# Altium PCB BG1094.PcbDoc (part 2 of 2) (continued)
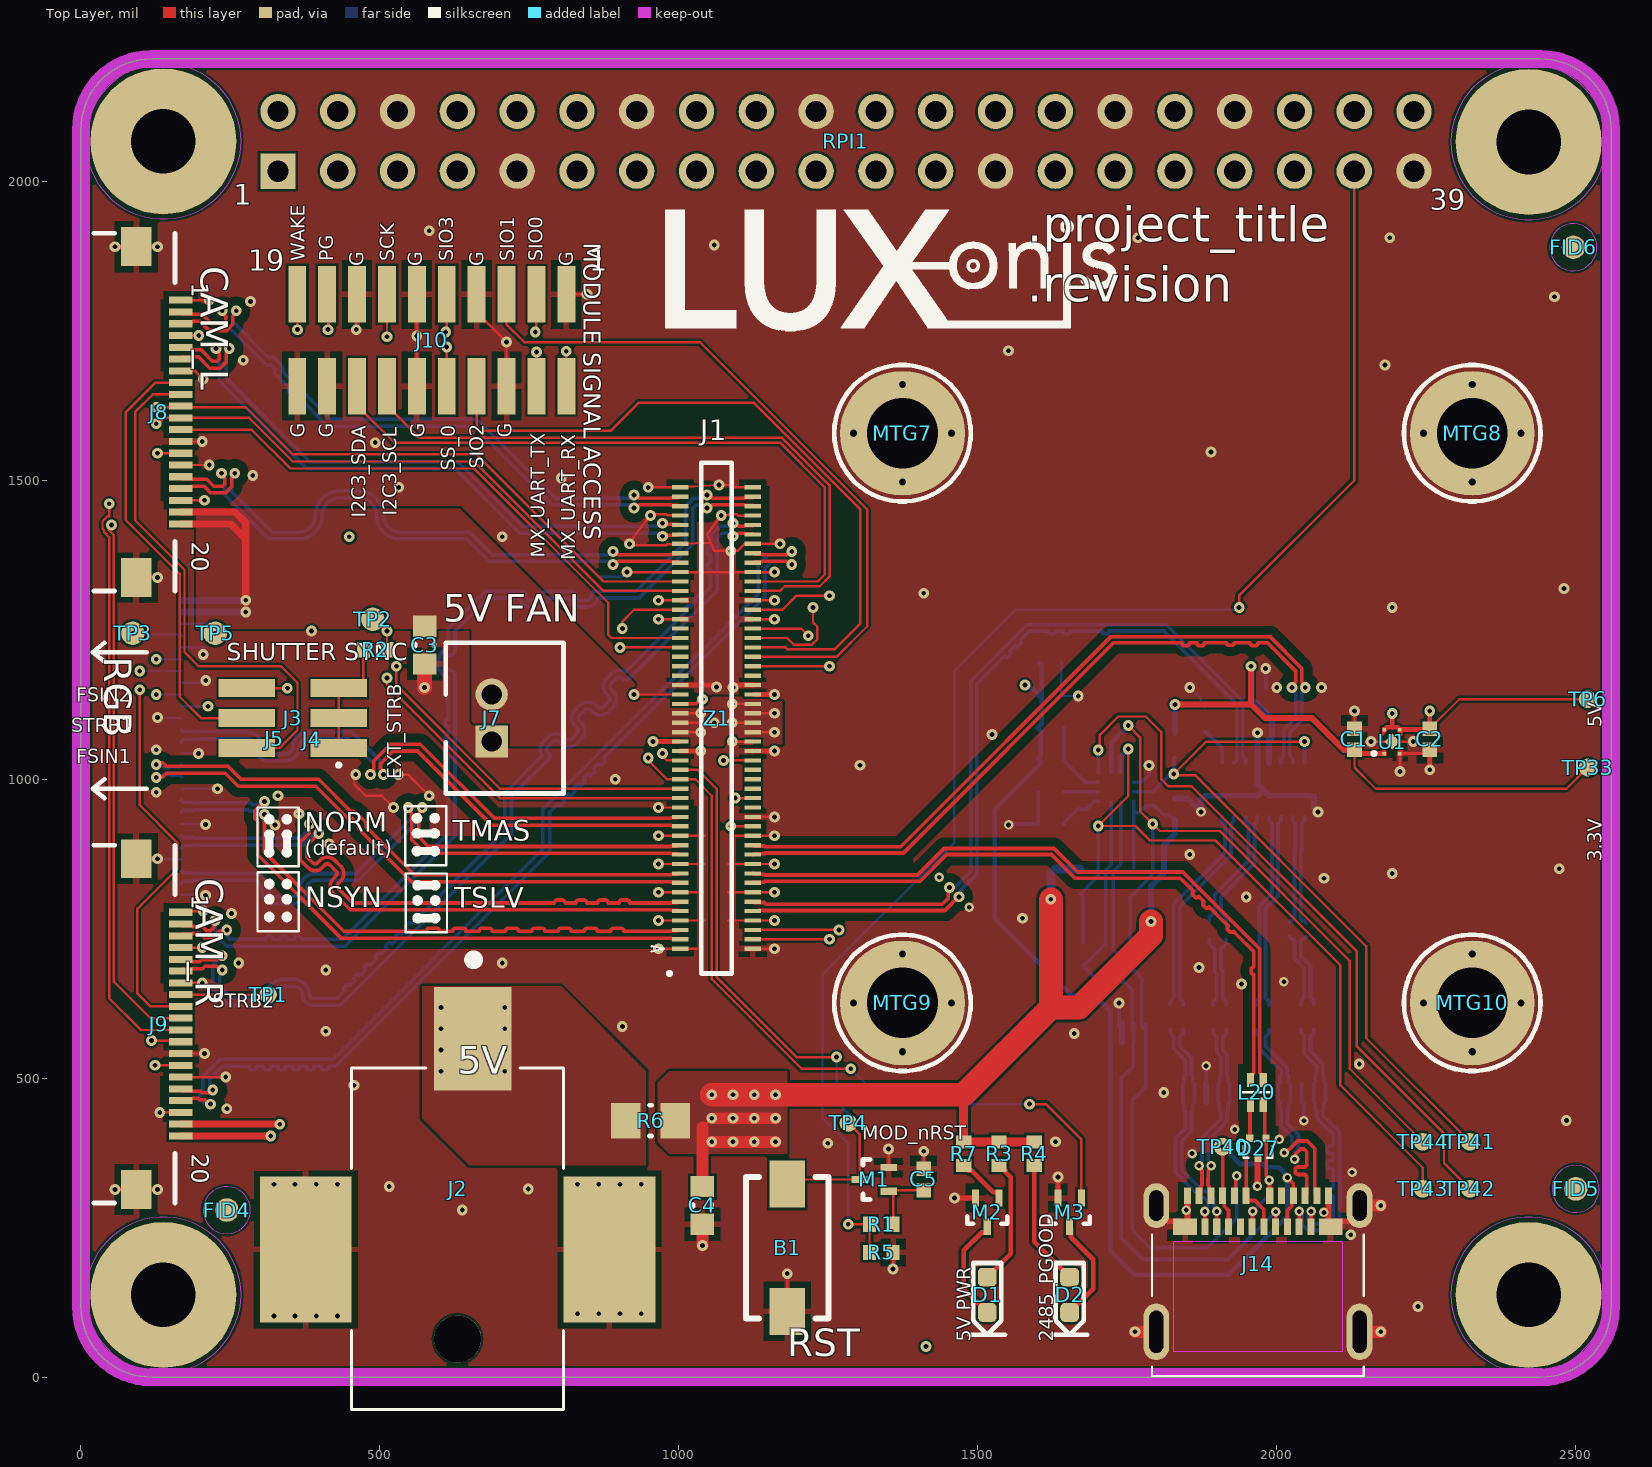
[diagram p0: Top Layer view]
## Nets (pads, with @x,y where several pads share a name; then routed paths per layer and width w, separated by ;. In a path a pad name is that pad's centre, name@x,y a point inside that pad or via, vN(x,y) a via of type N, cw(c..) or ccw(c..) an arc to the next point about the centre after c; other vN are vias at no path point) (continued)
NetJ3_1: J3.1 J3.3 J3.5 R2.2 | length 205.5
  Top Layer w4: J3.1@431.1,1052.36 J3.3@431.1,1102.36 J3.5@431.1,1152.36 472.44,1152.36 R2.2@472.44,1216.54
NetM2_1: M2.1 R7.1 | length 85
  Top Layer w8: R7.1@1476.38,354.33 1485.2,345.5 1489.54,345.5 1525.87,309.17 1531.53,309.17 1535.43,305.26 M2.1@1535.43,299.61
NetR185_1: R185.1 U61.2 | length 64.6
  Bottom Layer w6: R185.1@1879.61,1079.03 1881.58,1079.03 1908.46,1052.15 U61.2@1908.46,1027.55
NetR186_1: R186.1 TP41.1 U61.9 U62.11 | length 1226.3
  Top Layer w4: v1(2046.25,1063.02) 2045.99,1062.75 1881.65,1062.75 v1(1827.76,1008.86) 1829.64,1006.99 1863.09,1006.99 2149.61,720.47 2149.61,566.93 TP41.1@2322.83,393.7
  Bottom Layer w4: v1(1827.76,1008.86) v1@1827.76,1014.41
  Bottom Layer w5.91: 1792.68,979.33 1827.76,1014.41 1827.76,1034.05 R186.1@1829.92,1036.21
  Bottom Layer w6: U62.11@1760.43,979.33 1792.68,979.33 ; U61.9@2046.25,1027.55 v1(2046.25,1063.02)
NetR213_1: R213.1 RZ28.2 TP44.1 U62.7 | length 1263.6
  Top Layer w4: v1(1751.56,1089.9) 1771.4,1070.06 1771.4,946.47 v1(1792.68,925.19) 1804.36,913.51 1904.89,913.51 2122.05,696.35 2122.05,515.75 TP44.1@2244.09,393.7
  Bottom Layer w6: RZ28.2@1755.14,726.3 1755.14,803.07 1761.04,808.97 1763.01,808.97 1763.01,810.94 1772.81,820.74 1772.81,821.27 1792.68,841.14 v1(1792.68,925.19)
  Bottom Layer w7.87: U62.7@1723.02,1012.79 1723.02,1061.36 v1(1751.56,1089.9)
NetR214_1: R214.1 RZ29.2 TP43.1 U62.8 | length 1335.6
  Top Layer w4: v1(1751.56,1050.49) 1751.56,972.03 v1(1701.37,921.85) 1763.78,921.85 1787.99,897.64 1897.64,897.64 2106.3,688.98 2106.3,488.19 2244.09,350.39 TP43.1@2244.09,314.96
  Bottom Layer w4: v1@1701.37,913.2 v1(1701.37,921.85)
  Bottom Layer w6: RZ29.2@1676.39,727.07 1676.4,803.23 1671.02,808.61 1672.99,808.61 1682.78,818.4 1682.78,820.37 1701.37,838.96 v1@1701.37,913.2
  Bottom Layer w7.87: U62.8@1738.77,1012.79 1738.77,1037.71 v1(1751.56,1050.49)
NetTP42_1: TP42.1 U62.6 | length 1191.2
  Top Layer w4: v1(1701.37,1049) 1704.05,1051.68 1704.05,1074.13 1734.82,1104.9 1780.93,1104.9 1806.88,1078.95 1806.88,1000.21 1818.9,988.19 1857.77,988.19 2133.86,712.1 2133.86,553.31 2279.53,407.64 2279.53,358.27 TP42.1@2322.83,314.96
  Bottom Layer w5.91: U62.6@1701.37,1010.82 v1(1701.37,1049)
RXB1_N: L18.4 U61.18 | length 354.6
  Bottom Layer w6.22: L18.4@1843.5,622.15 1843.5,628.05 1837.79,633.76 1837.79,786.99 1923.42,872.61 1923.42,925.38 1928.14,930.11 U61.18@1928.14,937
RXB1_P: L18.2 U61.19 | length 354.6
  Bottom Layer w6.22: L18.2@1821.85,622.15 1821.85,628.05 1827.56,633.76 1827.56,791.23 1913.19,876.85 1913.19,925.38 1908.46,930.11 U61.19@1908.46,937
RXB_N: D28.2 D28.9 J14.B10 L18.3 | length 377.8
  Top Layer w6.22: J14.B10@1899.61,251.97 v2(1899.61,277.37)
  Bottom Layer w6.22: L18.3@1843.5,580.81 1843.5,574.9 1837.79,569.19 1837.79,553.43 1857.47,533.75 1857.47,504.84 1859.41,502.9 1859.41,492.66 D28.2@1862.2,489.86 D28.9@1862.2,459.15 1859.41,456.36 1859.41,446.11 1857.47,444.18 1857.47,411.87 1840.94,395.34 1840.94,346.56 1876.34,311.15 1882.12,311.15 1894.56,298.72 1894.56,285.07 1899.61,280.02 v2(1899.61,277.37)
RXB_P: D28.1 D28.10 J14.B11 L18.1 | length 377.8
  Top Layer w6.22: v2(1879.61,277.15) 1879.76,276.99 1879.76,252.13 J14.B11@1879.92,251.97
  Bottom Layer w6.22: L18.1@1821.85,580.81 1821.85,574.9 1827.56,569.19 1827.56,549.19 1847.24,529.51 1847.24,504.84 1845.31,502.9 1845.31,492.66 D28.1@1842.51,489.86 D28.10@1842.51,459.15 1845.31,456.36 1845.31,446.11 1847.24,444.18 1847.24,416.11 1830.71,399.57 1830.71,342.32 1872.11,300.93 1877.88,300.93 1884.33,294.48 1884.33,284.51 1879.61,279.79 v2(1879.61,277.15)
RXC1_N: L21.4 U61.14 | length 327.5
  Bottom Layer w6.22: L21.4@1986.92,622.52 1986.92,628.42 1981.21,634.14 1981.21,783.93 2002.16,804.87 2002.16,925.38 2006.88,930.11 U61.14@2006.88,937
RXC1_P: L21.2 U61.15 | length 327.5
  Bottom Layer w6.22: L21.2@1965.27,622.52 1965.27,628.42 1970.98,634.14 1970.98,788.16 1991.93,809.11 1991.93,925.38 1987.2,930.11 U61.15@1987.2,937
RXC_N: D29.2 D29.9 J14.A10 L21.3 | length 386.9
  Top Layer w6.22: v2(2029.74,364.52) 2031.61,366.39 2031.61,373.15 2040.23,381.77 2045.39,381.77 2050.04,377.12 2050.04,370.08 2050.04,363.86 2050.04,356.39 cw(c2045.06,356.39) 2045.06,351.41 2035.7,351.41 ccw(c2035.7,346.44) 2030.72,346.44 2030.72,343.95 ccw(c2035.7,343.95) 2035.7,338.97 2045.06,338.97 cw(c2045.06,333.99) 2050.04,333.99 2050.04,322.83 2050.04,305.94 J14.A10@2047.24,303.15
  Bottom Layer w6.22: L21.3@1986.92,581.18 1986.92,575.27 1981.21,569.56 1981.21,553.54 2017.59,517.16 2017.59,505.84 2019.52,503.9 2019.52,493.66 D29.2@2022.32,490.86 D29.9@2022.32,460.15 2019.52,457.36 2019.52,447.11 2017.59,445.18 2017.59,424.2 2036.19,405.6 2036.19,382.15 2030.19,376.14 2030.19,364.97 v2(2029.74,364.52)
RXC_P: D29.1 D29.10 J14.A11 L21.1 | length 386.9
  Top Layer w6.22: v2(2012.38,375.45) 2015.03,375.45 2019.62,380.03 2019.87,380.03 2034.78,394.94 2050.84,394.94 2063.67,382.11 2063.67,317.46 2064.13,317 2064.13,305.94 J14.A11@2066.93,303.15
  Bottom Layer w6.22: L21.1@1965.27,581.18 1965.27,575.27 1970.98,569.56 1970.98,549.31 2007.36,512.92 2007.36,505.84 2005.43,503.9 2005.43,493.65 D29.1@2002.63,490.86 D29.10@2002.63,460.15 2005.43,457.36 2005.43,447.11 2007.36,445.18 2007.36,419.97 2025.96,401.36 2025.96,386.38 2015.03,375.45 v2(2012.38,375.45)
RXD0/GPIO15: RPI1.10
SD_HST0_CD: J1.59
SD_HST0_CLK: J1.61
SD_HST0_CMD: J1.63
SD_HST0_D0: J1.40
SD_HST0_D1: J1.38
SD_HST0_D2: J1.36
SD_HST0_D3: J1.32
"SPI0 CS0": RPI1.24
"SPI0 CS1": RPI1.26
"SPI0 MISO": RPI1.21
"SPI0 MOSI": RPI1.19
"SPI0 SCLK": RPI1.23
"SPI1 CS0": RPI1.36
"SPI1 MISO": RPI1.35
"SPI1 MOSI": RPI1.38
"SPI1 SCLK": RPI1.40
SPI_SCK: J1.74 J10.13 | length 1238.3
  Top Layer w4: v1(511.81,1740.16) J10.13@511.81,1811.02 ; J1.74@1124.61,1283.46 1173.23,1283.46 1196.85,1307.09 v1(1251.97,1307.09)
  Midlayer 1 w4: v1(511.81,1740.16) 555.12,1696.85 1051.18,1696.85 1251.97,1496.06 v1(1251.97,1307.09)
SPI_SIO0: J1.62 J10.3 | length 1122.8
  Top Layer w4: v1(759.84,1748.03) 761.81,1750 J10.3@761.81,1811.02 ; J1.62@1124.61,1188.98 v1(1251.97,1188.98)
  Midlayer 2 w4: v1(759.84,1748.03) 858.27,1748.03 885.83,1720.47 1019.69,1720.47 1271.65,1468.5 1271.65,1366.14 1291.34,1346.46 1291.34,1263.78 1263.78,1236.22 1263.78,1200.79 v1(1251.97,1188.98)
SPI_SIO1: J1.64 J10.5 | length 1188.6
  Top Layer w4: J10.5@711.81,1811.02 711.81,1760.63 741.69,1730.75 1035.48,1730.75 1314.96,1451.26 1314.96,1255.91 1263.78,1204.72 J1.64@1124.61,1204.72
SPI_SIO2: J1.66 J10.8 | length 1194.6
  Top Layer w4: J10.8@661.81,1657.48 661.81,1590.16 669.29,1582.68 885.83,1582.68 933.07,1629.92 1124.99,1629.92 1303.15,1451.76 1303.15,1259.84 1260.46,1217.15 1181.62,1217.15 1178.3,1220.47 J1.66@1124.61,1220.47
SPI_SIO3: J1.68 J10.9 | length 1157.4
  Top Layer w4: v1(610.24,1748.03) 611.81,1749.61 J10.9@611.81,1811.02 ; J1.68@1124.61,1236.22 1181.1,1236.22 1192.17,1225.15 1222.75,1225.15 1231.53,1233.94 1231.53,1255.22 1224.41,1262.34 v1(1224.41,1287.4)
  Midlayer 2 w4: v1(610.24,1748.03) 610.24,1742.47 596.81,1729.05 596.81,1714.21 622.55,1688.47 957.2,1688.47 1224.41,1421.26 v1(1224.41,1287.4)
SPI_SS_0: J1.70 J10.10 | length 1131.8
  Top Layer w4: J10.10@611.81,1657.48 v1(611.81,1722.83) ; J1.70@1123.62,1251.97 1204.72,1251.97 v1(1216.53,1240.15)
  Midlayer 2 w4: v1(611.81,1722.83) 637.67,1696.98 854.7,1696.98 854.95,1696.72 871.2,1696.72 871.33,1696.6 875.76,1696.6 875.89,1696.47 1007.75,1696.47 1232.41,1471.82 1232.41,1453.35 1236.97,1448.79 1236.97,1300.87 1239.41,1298.43 1239.41,1272.01 1218.65,1251.25 1218.65,1242.27 v1(1216.53,1240.15)
SPI_SS_1: J1.60
STRB2: J9.8 TP1.1 | length 145.7
  Top Layer w4: J9.8@167.32,639.76 TP1.1@312.99,639.76
STROBE1: J3.4 J8.8 | length 753.1
  Top Layer w4: J8.8@167.32,1663.39 125.01,1663.39 74.8,1613.18 74.8,1433.98 165.23,1343.56 165.23,1137.92 200.79,1102.36 J3.4@277.56,1102.36
SYS_RST: R1.2 R5.2 RPI1.37 | length 2452.4
  Top Layer w4: v1(1283.46,255.91) R1.2@1318.9,255.91 R5.2@1318.9,208.66 ; v1(1937.01,1287.4) 1937.01,1307.09 2129.53,1499.61 RPI1.37@2129.53,2016.93
  Bottom Layer w4: v1(1283.46,255.91) 1283.46,389.76 1240.16,433.07 1240.16,673.23 1460.63,893.7 1460.63,1181.1 1562.99,1283.46 1929.13,1283.46 1937.01,1291.34 v1(1937.01,1287.4)
TXB1_N: C209.1 U61.16 | length 204.1
  Bottom Layer w6.22: C209.1@1915.56,761.98 1915.56,769.04 1906.5,778.11 1906.5,803.27 1962.79,859.56 1962.79,925.38 1967.51,930.11 U61.16@1967.51,937
TXB1_P: C208.1 U61.17 | length 204.1
  Bottom Layer w6.22: C208.1@1887.21,761.98 1887.21,769.05 1896.27,778.11 1896.27,807.5 1952.56,863.8 1952.56,925.38 1947.83,930.11 U61.17@1947.83,937
TXB2_N: C209.2 L19.4 | length 117.4
  Bottom Layer w6.22: L19.4@1915.54,622.15 1915.54,628.05 1909.83,633.76 1909.83,678.66 1906.5,681.99 1906.5,715.93 1915.56,724.99 C209.2@1915.56,732.06
TXB2_P: C208.2 L19.2 | length 117.4
  Bottom Layer w6.22: C208.2@1887.21,732.06 1887.21,724.99 1896.27,715.93 1896.27,677.76 1899.6,674.42 1899.6,633.76 1893.89,628.05 L19.2@1893.89,622.15
TXB_N: D28.5 D28.6 J14.A3 L19.3 | length 305.8
  Top Layer w6.22: J14.A3@1889.76,303.15 1886.97,305.94 1886.97,319.14 1885.03,321.08 1885.03,331.85 1885.2,332.02 1885.2,346.05 1890.09,350.94 v2(1890.09,353.58)
  Bottom Layer w6.22: v2(1890.09,353.58) 1890.09,356.23 1885.21,361.11 1885.21,396.14 1916.53,427.46 1916.53,444.18 1918.46,446.11 1918.46,456.36 D28.6@1921.26,459.15 D28.5@1921.26,489.86 1918.46,492.66 1918.46,502.9 1916.53,504.84 1916.53,540.24 1909.83,546.93 1909.83,569.19 1915.54,574.9 L19.3@1915.54,580.81
TXB_P: D28.4 D28.7 J14.A2 L19.1 | length 305.8
  Top Layer w6.22: J14.A2@1870.08,303.15 1872.87,305.94 1872.87,319.14 1874.81,321.08 1874.81,336.08 1874.98,336.25 1874.98,346.05 1870.09,350.94 v2(1870.09,353.58)
  Bottom Layer w6.22: v2(1870.09,353.58) 1870.09,356.23 1874.98,361.11 1874.98,400.37 1906.3,431.69 1906.3,444.18 1904.36,446.11 1904.36,456.36 D28.7@1901.57,459.15 D28.4@1901.57,489.86 1904.36,492.66 1904.36,502.9 1906.3,504.84 1906.3,536 1899.6,542.7 1899.6,569.19 1893.89,574.9 L19.1@1893.89,580.81
TXC1_N: C212.1 U61.12 | length 185.2
  Bottom Layer w6.22: U61.12@2046.25,937 2046.25,930.11 2041.53,925.38 2041.53,879.65 2039.84,877.96 2039.84,766.78 2043.48,763.13 2045.31,763.13 2048.5,759.94 C212.1@2048.5,759.16
TXC1_P: C211.1 U61.13 | length 185.2
  Bottom Layer w6.22: C211.1@2020.94,759.16 2020.94,759.94 2024.13,763.13 2025.96,763.13 2029.61,766.78 2029.61,882.2 2031.3,883.89 2031.3,925.38 2026.57,930.11 U61.13@2026.57,937
TXC2_N: C212.2 L22.4 | length 127.4
  Bottom Layer w6.22: C212.2@2048.5,737.11 2048.5,736.32 2045.31,733.13 2043.48,733.13 2039.84,729.49 2039.84,704.72 2056.29,688.27 2056.29,635.12 2062,629.41 L22.4@2062,623.5
TXC2_P: C211.2 L22.2 | length 127.4
  Bottom Layer w6.22: C211.2@2020.94,737.11 2020.94,736.32 2024.13,733.13 2025.96,733.13 2029.61,729.49 2029.61,700.49 2046.06,684.03 2046.06,635.12 2040.35,629.41 L22.2@2040.35,623.5
TXC_N: D29.5 D29.6 J14.B3 L22.3 | length 470.1
  Top Layer w6.22: J14.B3@2037.4,251.97 v2(2037.4,277.37)
  Bottom Layer w6.22: v2(2037.4,277.37) 2037.4,274.72 2042.29,269.84 2042.29,255.8 2051.92,246.16 2091.34,246.16 2104.83,259.65 2104.83,410.04 2081.1,433.77 2080.97,433.77 2076.65,438.09 2076.65,445.18 2078.58,447.11 2078.58,457.36 D29.6@2081.37,460.15 D29.5@2081.37,490.86 2078.58,493.66 2078.58,503.9 2076.65,505.84 2076.65,524.76 2056.29,545.12 2056.29,570.55 2062,576.26 L22.3@2062,582.17
TXC_P: D29.4 D29.7 J14.B2 L22.1 | length 471.2
  Top Layer w6.22: J14.B2@2057.09,251.97 2057.24,252.13 2057.24,277.21 v2(2057.4,277.37)
  Bottom Layer w6.22: L22.1@2040.35,582.17 2040.35,576.26 2046.06,570.55 2046.06,540.88 2066.42,520.53 2066.42,505.84 2064.48,503.9 2064.48,493.66 D29.4@2061.69,490.86 D29.7@2061.69,460.15 2064.48,457.36 2064.48,447.11 2066.42,445.18 2066.42,433.86 2076.73,423.54 2076.86,423.54 2094.6,405.8 2094.6,399.58 2094.6,392.11 cw(c2089.62,392.11) 2089.62,387.14 2088.58,387.14 ccw(c2088.58,382.16) 2083.6,382.16 2083.6,379.67 ccw(c2088.58,379.67) 2088.58,374.69 2089.62,374.69 cw(c2089.62,369.71) 2094.6,369.71 2094.6,367.22 cw(c2089.62,367.22) 2089.62,362.25 2088.58,362.25 ccw(c2088.58,357.27) 2083.6,357.27 2083.6,354.78 ccw(c2088.58,354.78) 2088.58,349.8 2089.62,349.8 cw(c2089.62,344.83) 2094.6,344.83 2094.6,334.85 2094.6,328.62 2094.6,318.2 cw(c2092.58,318.2) 2092.58,316.18 ccw(c2092.58,311.2) 2087.6,311.2 2087.6,308.71 ccw(c2092.58,308.71) 2092.58,303.74 cw(c2092.58,301.71) 2094.6,301.71 2094.6,299.37 2094.6,263.89 2087.1,256.39 2056.16,256.39 2052.52,260.04 2052.52,269.84 2057.4,274.72 v2(2057.4,277.37)
TXD0/GPIO14: RPI1.8
USB_CM: R31.1 U62.3 | length 74.3
  Bottom Layer w5.91: R31.1@1644.09,925.19 1644.09,927.16 1666.73,949.8 1681.69,949.8 1695.47,963.58 U62.3@1701.37,963.58
USB_D_1_N: D27.1 J14.A7 J14.B7 L20.4 | length 245.5
  Top Layer w6.22: J14.B7@1958.66,251.97 1959.27,252.58 1959.27,276.95 v2(1959.88,277.56) ; L20.4@1977.36,455.7 1979.82,453.24 1979.82,401.88 D27.1@1981.48,400.22 ; D27.1@1982.28,399.6 1982.28,337.29 1987.51,332.07 v2(1987.51,329.42) 1987.85,329.08 1987.85,303.49 J14.A7@1988.19,303.15
  Bottom Layer w6.22: v2(1959.88,277.56) 1987.51,305.18 v2(1987.51,329.42)
USB_D_1_P: D27.2 J14.A6 J14.B6 L20.2 | length 227.3
  Top Layer w6.22: L20.2@1955.7,455.7 1955.21,455.21 1955.21,400.09 D27.2@1954.72,399.6 1948.82,393.7 1948.82,295.47 1963.35,295.47 1978.35,280.47 J14.B6@1978.35,251.97
USB_D_N: J1.18 L20.3 | length 1157.6
  Top Layer w6.22: J1.18@1124.61,842.52 1125.83,841.3 1142.37,841.3 1143.91,839.76 1398.92,839.76 1443.4,884.24 1627.57,884.24 1666.94,844.87 1842.82,844.87 1971.64,716.04 1971.64,508.66 1977.36,502.95 L20.3@1977.36,497.04
USB_D_P: J1.16 L20.1 | length 1164.5
  Top Layer w6.22: J1.16@1124.61,826.77 1125.83,827.99 1142.37,827.99 1143.91,829.53 1403.16,829.53 1447.64,874.02 1623.34,874.02 1662.71,834.65 1763.78,834.65 1818.9,834.65 1825.12,834.65 1837.56,834.65 1838.58,834.65 1842.98,830.25 1851.78,821.45 1860.58,812.65 1860.12,812.19 ccw(c1863.2,809.11) 1860.12,806.03 1862.76,803.39 ccw(c1865.84,806.47) 1868.92,803.39 1869.38,803.85 1878.18,795.05 1877.72,794.59 ccw(c1880.8,791.51) 1877.72,788.43 1880.36,785.79 ccw(c1883.44,788.87) 1886.52,785.79 1886.98,786.25 1889.76,783.46 1905.51,767.72 1909.91,763.32 1918.71,754.52 1918.25,754.06 ccw(c1921.33,750.98) 1918.25,747.9 1920.89,745.26 ccw(c1923.97,748.34) 1927.05,745.26 1927.51,745.72 1933.07,740.16 1961.42,711.81 1961.42,704.72 1961.42,698.5 1961.42,686.06 ccw(c1961.42,681.7) 1957.07,681.7 1957.07,677.97 ccw(c1961.42,677.97) 1961.42,673.61 1961.42,669.29 1961.42,598.43 1961.42,508.66 1955.7,502.95 L20.1@1955.7,497.04
USB_PORT: R32.1 U62.4 | length 57.3
  Bottom Layer w5.91: R32.1@1644.09,979.33 U62.4@1701.37,979.33
USB_RX_N: J1.12 U61.4 | length 1367.3
  Top Layer w6.22: J1.12@1124.61,795.28 1125.83,794.06 1142.37,794.06 1145.59,790.84 1440.64,790.84 1450.5,800.71 1450.5,816.64 v1(1452.76,818.9)
  Bottom Layer w6.22: v1(1452.76,818.9) 1460.37,818.9 1460.95,819.48 1461.66,819.48 1488.19,846.01 1488.19,1164.07 1582.38,1258.26 1815.16,1258.26 1943.1,1130.32 1943.1,1039.17 1947.83,1034.44 U61.4@1947.83,1027.55
USB_RX_P: J1.10 U61.3 | length 1376.6
  Top Layer w6.22: J1.10@1124.61,779.53 1132.22,779.53 1133.44,780.75 1142.37,780.75 1142.5,780.62 1444.87,780.62 1465.34,801.09 1466.06,801.09 v1(1468.31,803.34)
  Bottom Layer w6.22: v1(1468.31,803.34) 1470.57,803.34 1470.57,813.92 1498.42,841.77 1498.42,1159.84 1531.5,1192.91 1535.9,1197.31 1544.7,1206.11 1545.15,1205.66 ccw(c1548.23,1208.74) 1551.31,1205.66 1553.95,1208.3 ccw(c1550.87,1211.38) 1553.95,1214.46 1553.49,1214.91 1562.29,1223.71 1562.75,1223.25 ccw(c1565.83,1226.33) 1568.91,1223.25 1571.55,1225.89 ccw(c1568.47,1228.97) 1571.55,1232.05 1571.09,1232.51 1579.89,1241.31 1586.61,1248.03 1592.84,1248.03 1605.28,1248.03 1617.72,1248.03 1617.72,1247.39 ccw(c1622.08,1247.39) 1622.08,1243.03 1625.81,1243.03 ccw(c1625.81,1247.39) 1630.17,1247.39 1630.17,1248.03 1642.61,1248.03 1642.61,1247.39 ccw(c1646.97,1247.39) 1646.97,1243.03 1650.7,1243.03 ccw(c1650.7,1247.39) 1655.06,1247.39 1655.06,1248.03 1669.29,1248.03 1688.98,1248.03 1695.2,1248.03 1707.64,1248.03 1707.64,1247.94 ccw(c1712,1247.94) 1712,1243.59 1715.73,1243.59 ccw(c1715.73,1247.94) 1720.09,1247.94 1720.09,1248.03 1732.28,1248.03 1810.93,1248.03 1932.87,1126.09 1932.87,1031.56 1928.87,1027.55 U61.3@1928.14,1027.55
USB_TX_N: J1.24 U61.8 | length 1258.8
  Top Layer w6.22: J1.24@1124.61,889.76 1125.83,888.54 1142.37,888.54 1143.91,887 1371.25,887 1722.82,1238.57 1988.49,1238.57 2041.72,1185.34 2041.72,1162.62 2047.61,1156.73 v1(2047.61,1153.54)
  Bottom Layer w6.22: U61.8@2026.57,1027.55 2026.57,1034.44 2021.84,1039.17 2021.84,1078.59 2041.72,1098.47 2041.72,1144.47 2047.61,1150.36 v1(2047.61,1153.54)
USB_TX_P: J1.22 U61.7 | length 1265.6
  Top Layer w6.22: J1.22@1124.61,874.02 1125.83,875.24 1142.37,875.24 1143.91,876.78 1375.49,876.78 1727.05,1228.35 1822.83,1228.35 1829.06,1228.35 1841.5,1228.35 1841.5,1227.7 ccw(c1845.86,1227.7) 1845.86,1223.35 1849.59,1223.35 ccw(c1849.59,1227.7) 1853.94,1227.7 1853.94,1228.35 1866.39,1228.35 1866.39,1227.7 ccw(c1870.74,1227.7) 1870.74,1223.35 1874.48,1223.35 ccw(c1874.48,1227.7) 1878.83,1227.7 1878.83,1228.35 1889.76,1228.35 1897.64,1228.35 1903.86,1228.35 1916.3,1228.35 ccw(c1920.66,1228.35) 1920.66,1223.99 1924.39,1223.99 ccw(c1924.39,1228.35) 1928.75,1228.35 1937.01,1228.35 1943.23,1228.35 1955.67,1228.35 1955.67,1227.7 ccw(c1960.03,1227.7) 1960.03,1223.35 1963.76,1223.35 ccw(c1963.76,1227.7) 1968.12,1227.7 1968.12,1228.35 1968.5,1228.35 1984.25,1228.35 2031.5,1181.1 2031.5,1162.62 2025.61,1156.73 v1(2025.61,1153.54)
  Bottom Layer w6.22: U61.7@2006.88,1027.55 2006.88,1034.44 2011.61,1039.17 2011.61,1082.82 2031.49,1102.7 2031.49,1144.47 2025.61,1150.36 v1(2025.61,1153.54)
VBUS: C73.2 C207.2 D36.4 D36.7 J1.53 J14.A4 J14.A9 J14.B4 J14.B9 R183.2 R187.2 R190.2 TP40.1 | length 2563.5
  Top Layer w6: J1.53@1001.38,1125.98 1028.25,1125.98 1036.12,1133.86 v1(1039.37,1133.86) ; v2(1909.45,385.47) J14.A4@1909.45,303.15 1912.35,300.24 1912.35,285.84 1919.29,278.9 J14.B9@1919.29,251.97 ; J14.B4@2017.72,251.97 2017.72,278.9 2024.65,285.84 2024.65,300.24 J14.A9@2027.56,303.15 2027.56,324.1 v2(2017.76,333.9)
  Midlayer 1 w8: v1(1039.37,1133.86) 1039.37,1157.48 1053.86,1171.98 1518.43,1171.98 1532.93,1157.48 v1(1578.74,1157.48)
  Bottom Layer w8: v1(1578.74,1157.48) 1578.74,1162.85 1591.56,1150.03 1593.53,1150.03 1603.34,1140.22 R183.2@1602.36,1139.23 ; C73.2@1602.36,1194.88 1606.93,1190.31 1606.93,1092.46 1600.39,1085.92 1605.05,1081.26 1605.05,1040.09 1600.39,1035.43 1604.96,1030.86 1604.96,1026.81 1528.19,950.04 1528.19,767.02 1657.76,637.45 1697.2,637.45 1721.56,613.08 D36.7@1721.56,591.24 D36.4@1721.56,560.53 1721.56,211.86 1762,171.42 1919.86,171.42 2017.72,269.28 2017.72,333.9 2019.13,335.27 2003.28,351.13 1982.22,351.13 1976.59,356.77 1938.15,356.77 v2(1909.45,385.47)
VBUS_DET: R187.1 R190.1 U62.5 | length 127.3
  Bottom Layer w5.91: R190.1@1643.7,1085.92 1643.7,1035.44 1644.5,1034.64 1644.5,1030.58 1680,995.07 U62.5@1701.37,995.07
VDD_5V: C2.1 C3.1 C4.1 C76.2 J1.47 J1.48 J1.49 J1.50 J1.51 J1.52 J1.54 J6.25 J6.26 J7.P2 J8.19 J8.20 J9.19 J9.20 R3.2 R4.2 R6.1 R7.2 R213.2 R214.2 RPI1.2 RPI1.4 TP6.1 U1.3 U1.4 U62.12 | length 3652
  Top Layer w4: J1.47@1001.38,1078.74 v1(1036.81,1078.74) ; J1.49@1001.38,1094.49 v1(1059.06,1094.49) ; J1.51@1001.38,1110.24 v1(1036.81,1110.24) ; 1039.37,417.32 v1(1055.12,433.07) ; v1(1089.17,1094.49) J1.50@1124.61,1094.49 ; v1(1089.17,1125.98) J1.54@1124.61,1125.98 ; J1.48@1124.61,1078.74 v1(1160.04,1078.74) ; J1.52@1124.61,1110.24 v1(1160.04,1110.24) ; C2.1@2255.91,1084.65 2305.12,1133.86 TP6.1@2519.68,1133.86
  Top Layer w8: U1.4@2179.92,1083.07 2180.87,1084.02 2181.27,1084.02 2184.25,1087.01 2193.11,1087.01 ; v1(2193.11,1110.04) 2193.11,1087.01 ; v1(2255.91,1114.17) C2.1@2255.91,1084.65 2254.33,1083.07 U1.3@2205.91,1083.07 2201.97,1087.01 2193.11,1087.01
  Top Layer w12: J9.20@167.32,403.54 v1(317.4,403.54) ; J9.19@167.32,423.23 v1(332.68,423.23) ; J8.20@167.32,1427.17 250,1427.17 275.56,1401.6 v1(275.56,1299.24) ; J8.19@167.32,1446.85 257.87,1446.85 275.59,1429.13 275.59,1389.76
  Top Layer w15: 1476.38,472.44 R7.2@1476.38,393.7 R3.2@1535.43,393.7 R4.2@1594.49,393.7
  Top Layer w20: C4.1@1039.37,318.9 1039.37,417.32 ; v1(1055.12,393.7) v1(1090.55,393.7) v1(1125.98,393.7) v1(1161.42,393.7) ; v1(1055.12,433.07) v1(1090.55,433.07) v1(1125.98,433.07) v1(1161.42,433.07)
  Top Layer w40: v1(1055.12,472.44) v1(1090.55,472.44) v1(1125.98,472.44) v1(1161.42,472.44) 1476.38,472.44 1622.05,618.11 ; v1(1622.05,799.21) 1622.05,618.11 ; v1(1789.68,762.12) 1789.68,738.5 1669.29,618.11 1622.05,618.11
  Bottom Layer w6: U62.12@1760.43,963.58 1760.43,941.94 ; R213.2@1761.04,852.28 1760.43,852.89 1760.43,941.94 ; C76.2@1829.92,930.22 1819.69,940.44 1811.07,940.44 1796.1,955.41 1780.75,955.41 1769.19,943.85 1762.34,943.85 1760.43,941.94
  Bottom Layer w10: v1(1789.68,762.12) 1789.68,821.18 1811.02,842.52 1811.02,889.76 1829.92,908.66 C76.2@1829.92,932.19
  Bottom Layer w12: J6.25@168.19,1279.55 v1(275.56,1279.55) ; J6.26@168.19,1299.24 v1(275.56,1299.24)
  Bottom Layer w15: v1(1622.05,799.21) 1622.05,842.52 1629.47,849.95 R214.2@1671.02,849.95
pads on no net: D36.5 D36.6 FID1.1 FID2.1 FID3.1 FID4.1 FID5.1 FID6.1 J2. J14.A8 J14.B8 RPI1.27 RPI1.28 U61.1 U61.10 U62.9
copper on no net:
  other v1: 1413.39,51.18

## Polygon pours and split planes (outlines as drawn)
GND on Top Layer "GND_L01_P045" (solid, remove dead copper, pour order 45): 0,118.11 ccw(c118.11,118.11) 118.11,0 2440.94,0 ccw(c2440.94,118.11) 2559.06,118.11 2559.05,2086.61 2559.06,2086.61 ccw(c2440.94,2086.61) 2440.94,2204.72 118.11,2204.72 ccw(c118.11,2086.61) 0,2086.61 0.01,2086.61
VDD_5V on Top Layer "VDD_5V_L01_P044" (solid, remove dead copper, pour order 44): 1173.23,1137.8 1173.23,1055.12 653.54,1055.12 653.54,1251.97 192.91,1251.97 192.91,1452.76 633.87,1452.76 948.83,1137.8
5V_IN on Top Layer "5V_IN_L01_P043" (solid, remove dead copper, pour order 43): 570.87,653.54 803.15,653.54 944.88,511.81 944.88,354.33 649.61,354.33 570.87,433.07
VDD_5V on Top Layer "VDD_5V_L01_P042" (solid, remove dead copper, pour order 42): 1181.1,374.02 984.25,374.02 964.57,393.7 964.57,492.13 984.25,511.81 1181.1,511.81
GND on Bottom Layer "GND_L04_P049" (solid, remove dead copper, pour order 49): 4.35,117.25 ccw(c122.46,117.25) 122.46,-0.86 2445.3,-0.86 ccw(c2445.3,117.25) 2563.41,117.25 2563.41,2085.76 ccw(c2445.3,2085.76) 2445.3,2203.87 122.46,2203.87 ccw(c122.46,2085.76) 4.35,2085.76 4.36,2085.76
VDD_5V on Bottom Layer "VDD_5V_L04_P048" (solid, remove dead copper, pour order 48): 291.34,354.33 291.34,460.63 976.38,460.63 976.38,1073.23 1240.16,1337.01 1240.16,1405.51 1118.11,1527.56 811.02,1527.56 702.76,1635.83 458.66,1635.83 275.59,1818.9 275.59,2165.35 492.13,2165.35 492.13,1968.5 511.81,1948.82 1791.34,1948.82 2401.57,1338.58 2401.57,1023.62 2283.46,905.51 2125.98,905.51 2125.98,1137.8 1986.81,1276.97 1584.06,1276.97 1480.31,1173.23 1480.31,929.13 1240.16,688.98 1240.16,354.33
GND on Midlayer 1 "GND_L02_P046" (solid, remove dead copper, pour order 46): 0,118.11 ccw(c118.11,118.11) 118.11,0 2440.94,0 ccw(c2440.94,118.11) 2559.06,118.11 2559.05,2086.61 2559.06,2086.61 ccw(c2440.94,2086.61) 2440.94,2204.72 118.11,2204.72 ccw(c118.11,2086.61) 0,2086.61 0.01,2086.61
GND on Midlayer 2 "GND_L03_P047" (solid, remove dead copper, pour order 47): 0,118.11 ccw(c118.11,118.11) 118.11,0 2440.94,0 ccw(c2440.94,118.11) 2559.06,118.11 2559.05,2086.61 2559.06,2086.61 ccw(c2440.94,2086.61) 2440.94,2204.72 118.11,2204.72 ccw(c118.11,2086.61) 0,2086.61 0.01,2086.61

## Keep-outs
Keep-Out Layer:
  circle w1: c2421.26,2065.94 r130
  circle w1: c2421.26,137.8 r130
  circle w1: c137.8,137.8 r130
  circle w1: c137.8,2066.93 r130
  lines w30: 0,118.11 ccw(c118.11,118.11) 118.11,0 2440.94,0 ccw(c2440.94,118.11) 2559.06,118.11 2559.05,2086.61 ccw(c2440.94,2086.61) 2440.94,2204.72 118.11,2204.72 ccw(c118.11,2086.61) 0,2086.61 0.01,118.11

## Silkscreen, mask and mechanical layers (free items; w line width, h text height)
Top Overlay:
  drawing of 61 lines, arcs and shapes, not listed
  text "1" at 255.91,1948.82 h59.06
  text "39" at 2255.91,1940.94 h59.06
  text "MODULE SIGNAL ACCESS" at 830.71,1897.64 h49.21 r270
  text "WAKE" at 381.89,1866.14 h39.37 r90
  text "PG" at 429.13,1866.14 h39.37 r90
  text "SCK" at 531.5,1866.14 h39.37 r90
  text "SIO3" at 629.92,1866.14 h39.37 r90
  text "SIO1" at 732.28,1866.14 h39.37 r90
  text "SIO0" at 779.53,1866.14 h39.37 r90
  text "CAM_L" at 185.04,1858.27 h78.74 r270
  text "G" at 480.31,1858.27 h39.37 r90
  text "G" at 578.74,1858.27 h39.37 r90
  text "G" at 681.1,1858.27 h39.37 r90
  text "G" at 830.71,1858.27 h39.37 r90
  text ".project_title  / .revision" at 1582.68,1779.53 h100
  text "G" at 381.89,1570.87 h39.37 r90
  text "G" at 429.13,1570.87 h39.37 r90
  text "G" at 582.68,1570.87 h39.37 r90
  text "G" at 728.35,1570.87 h39.37 r90
  text "SIO2" at 681.1,1519.68 h39.37 r90
  text "SS_0" at 633.86,1515.75 h39.37 r90
  text "I2C3_SCL" at 535.43,1440.94 h39.37 r90
  text "I2C3_SDA" at 484.25,1437.01 h39.37 r90
  text "MX_UART_TX" at 783.46,1370.08 h39.37 r90
  text "MX_UART_RX" at 834.65,1366.14 h39.37 r90
  text "5V FAN" at 606.3,1248.03 h78.74
  text "RGB" at 23.62,1204.72 h78.74 r270
  text "SHUTTER SYNC" at 244.09,1188.98 h49.21
  text "FSIN2" at -7.87,1122.05 h39.37
  text "5V" at 2551.18,1086.61 h39.37 r90
  text "STRB1" at -15.75,1070.87 h39.37
  text "FSIN1" at -7.87,1019.69 h39.37
  text "EXT_STRB" at 543.31,1000 h39.37 r90
  text "NORM" at 374.49,901.57 h55.12
  text "TMAS" at 622.05,885.83 h59.06
  text "(default)" at 374.49,864.17 h43.31
  text "3.3V" at 2551.18,862.2 h39.37 r90
  text "CAM_R" at 177.17,834.65 h78.74 r270
  text "NSYN" at 375,774.61 h59.06
  text "TSLV" at 624.02,773.62 h59.06
  text "STRB2" at 220.47,610.24 h39.37
  text "5V" at 629.92,492.13 h78.74
  text "MOD_nRST" at 1307.09,389.76 h39.37
  text "5V PWR" at 1496.06,59.06 h39.37 r90
  text "2485_PGOOD" at 1633.86,59.06 h39.37 r90
  text "RST" at 1181.1,19.68 h78.74
Bottom Overlay:
  drawing of 8 lines, arcs and shapes, not listed
Board:
  the board outline again, w3.94

## Text inside footprints (layer, text, board x,y; h text height)
J6: Bottom Overlay "1" at 175.2,777.59 h39.37 r270; Bottom Overlay "26" at 175.2,1328.33 h39.37 r270
J8: Top Overlay "20" at 175.19,1397.64 h49.21 r270; Top Overlay "1" at 175.19,1830.71 h49.21 r270
J9: Top Overlay "1" at 175.19,807.09 h49.21 r270; Top Overlay "20" at 175.19,374.02 h49.21 r270
J10: Top Overlay "19" at 279.53,1838.58 h60; Top Overlay "1" at 850.39,1838.58 h60
Z1: Top Assembly "BW1099 Module" at 1543.31,1070.87 h78.74